# Altium PCB LG_TRACKER_PCB.PcbDoc (part 1 of 3) (continued)
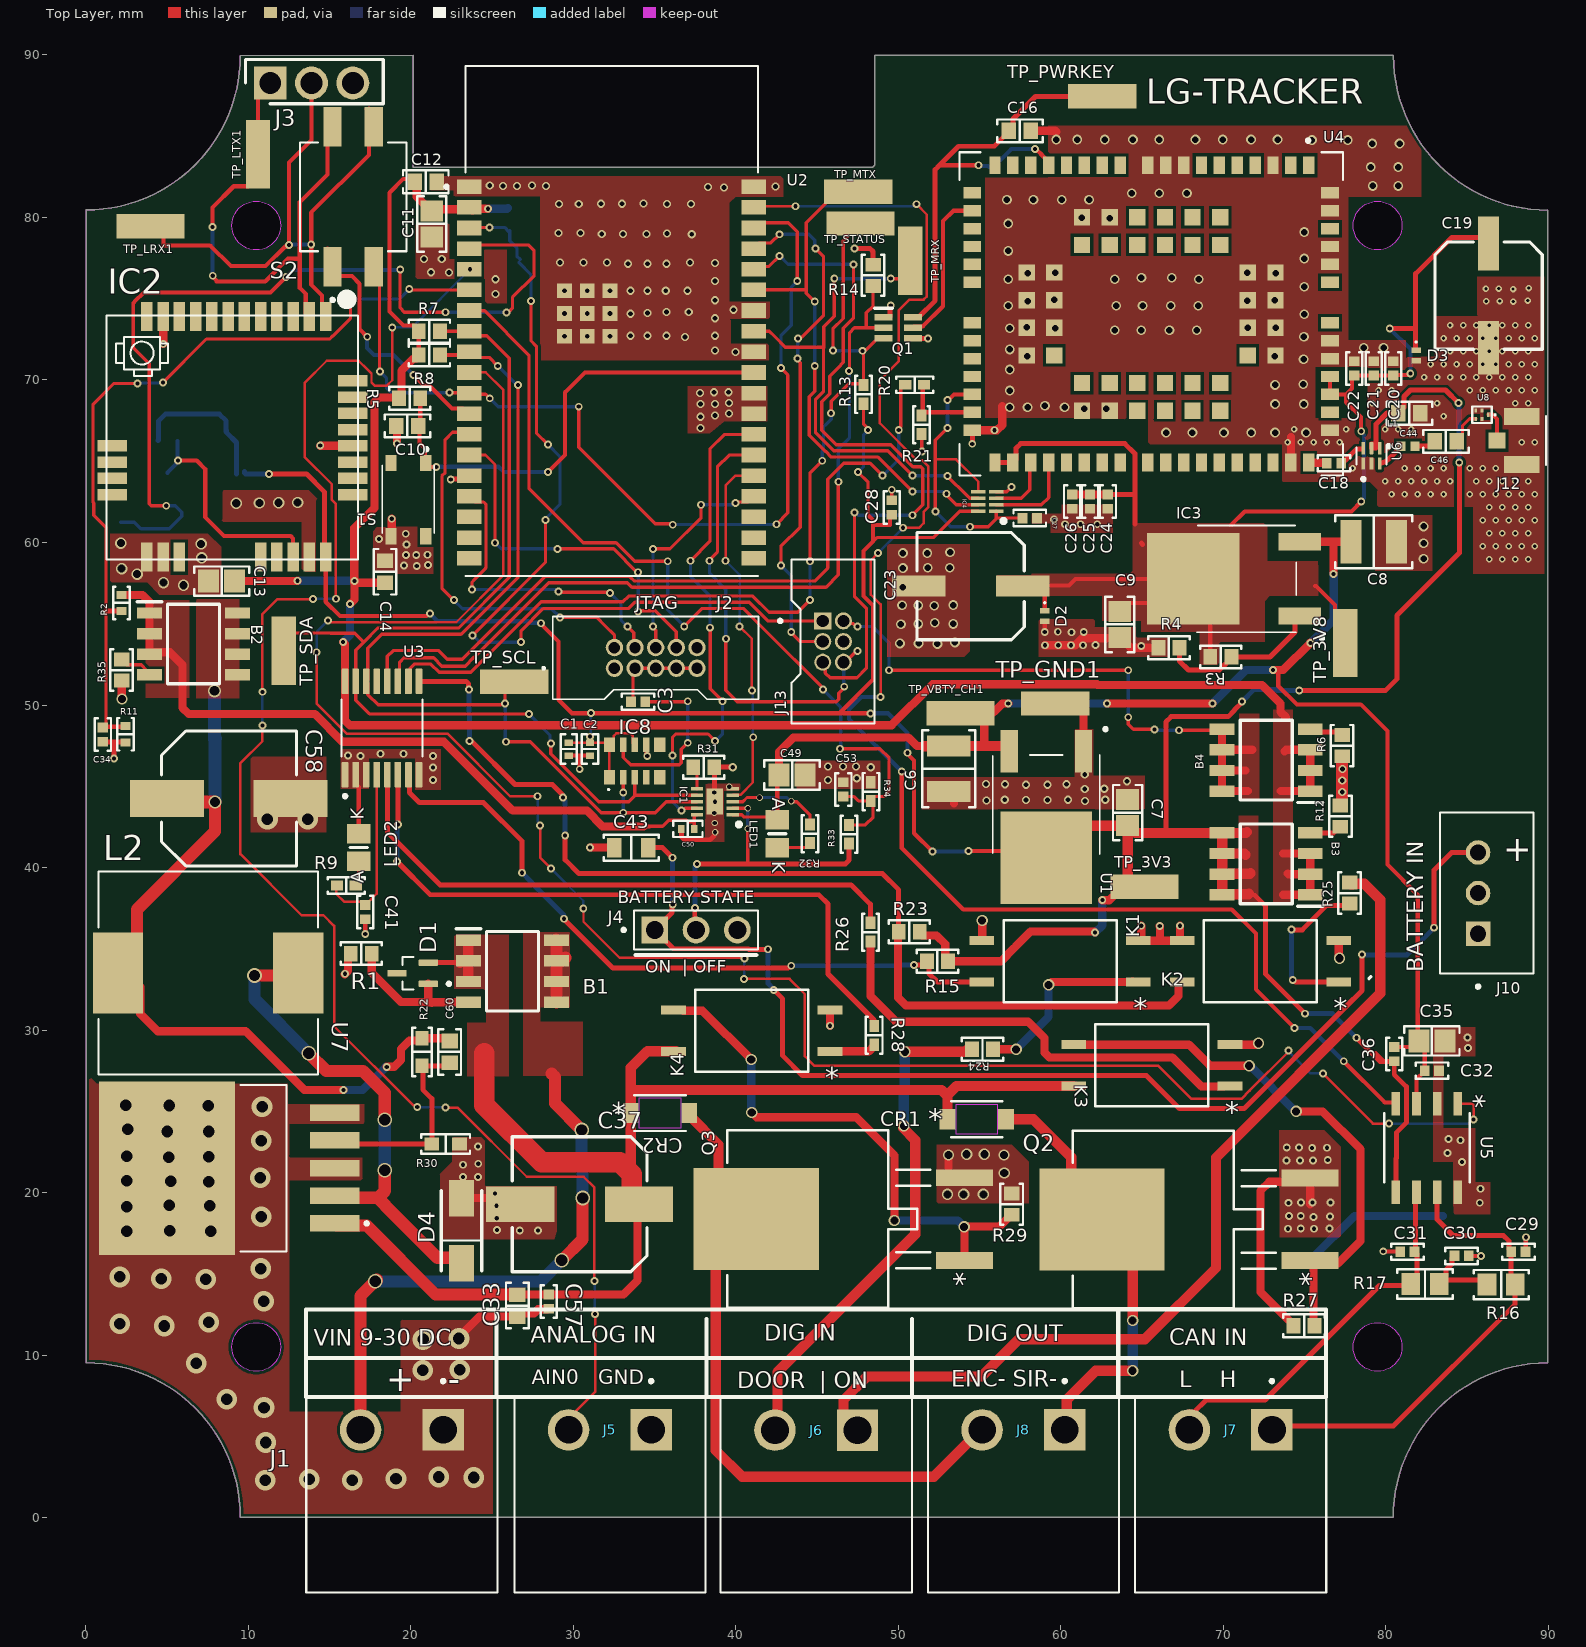
[diagram p0: Top Layer view]
## Part data (continued)
C29 C31: library part 500X07N101MV4T, "CAP CER 100PF 50V C0G/NP0 0402", Device Package="0402 (1005 Metric)", manufacturer="Johanson Dielectrics Inc.", Operating Temperature="-55°C ~ 125°C", Supplier Part Number 1=709-1214-1-ND, Temperature Coefficient="C0G, NP0", Tolerance=±20%, Voltage - Rated=50V, Applications="Bypass, Decoupling", Capacitance="100 pF", componentlink1description=Datasheet, componentlink1url=https://www.johansondielectrics.com/downloads/x2y-filter-and-decoupling-capacitors.pdf, componentlink2description="DigiKey Link", componentlink2url=https://www.digikey.com/en/products/detail/johanson-dielectrics-inc/500X07N101MV4T/2046917, Features="Low ESL (X2Y)", lastupdated="9/2/2024 20:04:38", Lifecycle Status=Active, Minimum Order=1, Mounting Type="Surface Mount, MLCC", Package / Case="0402 (1005 Metric)", packaging=TapeAndReel, Part Number=500X07N101MV4T, Part Status=Active, partid=1767, Price=0.08, series=X2Y®, Size / Dimension="0.045\" L x 0.025\" W (1.14mm x 0.64mm)", Supplier 1=DigiKey, Thickness (Max)="0.020\" (0.51mm)"
C30: library part 04025C472KAT2A, "CAP CER 4700PF 50V X7R 0402", Device Package="0402 (1005 Metric)", manufacturer="AVX Corporation", Operating Temperature="-55°C ~ 125°C", Supplier Part Number 1=478-1109-1-ND, Temperature Coefficient=X7R, Tolerance=±10%, Voltage - Rated=50V, Applications="General Purpose", Capacitance=4700pF, componentlink1description=Datasheet, componentlink1url=http://datasheets.avx.com/X7RDielectric.pdf, componentlink2description="DigiKey Link", componentlink2url=http://digikey.com/product-detail/en/avx-corporation/04025C472KAT2A/478-1109-1-ND/564141, lastupdated="8/2/2022 12:26:58", Lifecycle Status=Active, Minimum Order=1, Mounting Type="Surface Mount, MLCC", Package / Case="0402 (1005 Metric)", packaging=TapeAndReel, Part Number=04025C472KAT2A, Part Status=Active, partid=1774, Price=0.02, series=-, Size / Dimension="0.039\" L x 0.020\" W (1.00mm x 0.50mm)", Supplier 1=DigiKey, Thickness (Max)="0.022\" (0.56mm)"
C32 C34 C36 C41 C53 C57: library part CGA2B3X5R1H104M050BB, "CAP CER 0.1UF 50V X5R 0402", Device Package="0402 (1005 Metric)", manufacturer="TDK Corporation", Operating Temperature="-55°C ~ 85°C", Ratings=AEC-Q200, Supplier Part Number 1=445-12214-1-ND, Temperature Coefficient=X5R, Tolerance=±20%, Voltage - Rated=50V, Applications=Automotive, Capacitance="0.1 µF", componentlink1description=Datasheet, componentlink1url=https://product.tdk.com/info/en/catalog/datasheets/mlcc_automotive_general_en.pdf?ref_disty=digikey, componentlink2description="DigiKey Link", componentlink2url=https://www.digikey.com/en/products/detail/tdk-corporation/CGA2B3X5R1H104M050BB/3949450, lastupdated="9/2/2024 20:04:38", Lifecycle Status=Active, Minimum Order=1, Mounting Type="Surface Mount, MLCC", Package / Case="0402 (1005 Metric)", packaging=TapeAndReel, Part Number=CGA2B3X5R1H104M050BB, Part Status=Active, partid=1792, Price=0.01, series=CGA, Size / Dimension="0.039\" L x 0.020\" W (1.00mm x 0.50mm)", Supplier 1=DigiKey, Thickness (Max)="0.022\" (0.55mm)"
C33: library part 06035D105MAT2A, "CAP CER 1UF 50V X5R 0603", Device Package="0603 (1608 Metric)", manufacturer="AVX Corporation", Operating Temperature="-55°C ~ 85°C", Supplier Part Number 1=478-11443-1-ND, Temperature Coefficient=X5R, Tolerance=±20%, Voltage - Rated=50V, Applications="General Purpose", Capacitance=1µF, componentlink1description=Datasheet, componentlink1url=http://datasheets.avx.com/cx5r.pdf, componentlink2description="DigiKey Link", componentlink2url=http://digikey.com/product-detail/en/avx-corporation/06035D105MAT2A/478-11443-1-ND/8019298, lastupdated="2/9/2020 01:03:34", Lifecycle Status=Active, Minimum Order=1, Mounting Type="Surface Mount, MLCC", Package / Case="0603 (1608 Metric)", packaging=TapeAndReel, Part Number=06035D105MAT2A, Part Status=Active, partid=3200, Price=0.05, series=-, Size / Dimension="0.063\" L x 0.032\" W (1.60mm x 0.81mm)", Supplier 1=DigiKey, Thickness (Max)="0.035\" (0.90mm)"
C37: library part HHXD350ARA101MHA0G, "CAP ALUM HYBRD 100UF 20% 35V SMD", Device Package="Radial, Can - SMD", ESR (Equivalent Series Resistance)=27mOhm, Lifetime @ Temp.="5000 Hrs @ 105°C", manufacturer="United Chemi-Con", Operating Temperature="-55°C ~ 105°C", Ratings=AEC-Q200, Ripple Current @ High Frequency="2.3 A @ 100 kHz", Ripple Current @ Low Frequency="230 mA @ 120 Hz", Supplier Part Number 1=565-HHXD350ARA101MHA0GCT-ND, Tolerance=±20%, Voltage - Rated="35 V", Applications=Automotive, Capacitance="100 µF", componentlink1description=Datasheet, componentlink1url=http://www.chemi-con.co.jp/cgi-bin/CAT_DB/SEARCH/cat_db_al.cgi?e=e&j=p&pdfname=hxd, componentlink2description="DigiKey Link", componentlink2url=https://www.digikey.com/en/products/detail/united-chemi-con/HHXD350ARA101MHA0G/10486549, Height - Seated (Max)="0.413\" (10.50mm)", lastupdated="3/6/2024 20:17:04", Lifecycle Status=Active, Minimum Order=1, Mounting Type="Surface Mount", Package / Case="Radial, Can - SMD", packaging=TapeAndReel, Part Number=HHXD350ARA101MHA0G, Part Status=Active, partid=2061, Price=0.51, series=HXD, Size / Dimension="0.315\" Dia (8.00mm)", Supplier 1=DigiKey, Surface Mount Land Size="0.327\" L x 0.327\" W (8.30mm x 8.30mm)", Type=Hybrid
C42 C43 C49: library part CL21A106KOQNNNE, "CAP CER 10UF 16V X5R 0805", Device Package="0805 (2012 Metric)", manufacturer="Samsung Electro-Mechanics", Operating Temperature="-55°C ~ 85°C", Supplier Part Number 1=1276-1096-1-ND, Temperature Coefficient=X5R, Tolerance=±10%, Voltage - Rated=16V, Applications="General Purpose", Capacitance="10 µF", componentlink1description=Datasheet, componentlink1url=http://www.samsungsem.com/kr/support/product-search/mlcc/CL21A106KOQNNNE.jsp, componentlink2description="DigiKey Link", componentlink2url=https://www.digikey.com/en/products/detail/samsung-electro-mechanics/CL21A106KOQNNNE/3886754, lastupdated="10/30/2023 7:13:57 PM", Lifecycle Status=Active, Minimum Order=1, Mounting Type="Surface Mount, MLCC", Package / Case="0805 (2012 Metric)", packaging=TapeAndReel, Part Number=CL21A106KOQNNNE, Part Status=Active, partid=14297, Price=0.01, series=CL, Size / Dimension="0.079\" L x 0.049\" W (2.00mm x 1.25mm)", Supplier 1=DigiKey, Thickness (Max)="0.055\" (1.40mm)"
C44: library part C0603C333J4REC7411, "CAP CER 0603 33NF 16V X7R 5%", Device Package="0603 (1608 Metric)", manufacturer=KEMET, Operating Temperature="-55°C ~ 125°C", Supplier Part Number 1=399-C0603C333J4REC7411CT-ND, Temperature Coefficient=X7R, Tolerance=±5%, Voltage - Rated=16V, Applications="ESD Protection", Capacitance="0.033 µF", componentlink1description=Datasheet, componentlink1url=https://api.kemet.com/component-edge/download/datasheet/C0603C333J4REC7411.pdf, componentlink2description="DigiKey Link", componentlink2url=https://www.digikey.com/en/products/detail/kemet/C0603C333J4REC7411/8645086, lastupdated="9/2/2024 20:09:55", Lifecycle Status=Active, Minimum Order=1, Mounting Type="Surface Mount, MLCC", Package / Case="0603 (1608 Metric)", packaging=TapeAndReel, Part Number=C0603C333J4REC7411, Part Status=Active, partid=34885, Price=0.01, series="ESD SMD Comm X7R", Size / Dimension="0.063\" L x 0.031\" W (1.60mm x 0.80mm)", Supplier 1=DigiKey, Thickness (Max)="0.034\" (0.87mm)"
C46: library part 885012006021, "CAP CER 47PF 16V C0G/NP0 0603", Device Package="0603 (1608 Metric)", manufacturer="Würth Elektronik", Operating Temperature="-55°C ~ 125°C", Supplier Part Number 1=732-7764-1-ND, Temperature Coefficient="C0G, NP0", Tolerance=±5%, Voltage - Rated=16V, Applications="General Purpose", Capacitance="47 pF", componentlink1description=Datasheet, componentlink1url=https://katalog.we-online.de/pbs/datasheet/885012006021.pdf, componentlink2description="DigiKey Link", componentlink2url=https://www.digikey.com/en/products/detail/würth-elektronik/885012006021/5453619, lastupdated="9/2/2024 20:10:29", Lifecycle Status=Active, Minimum Order=1, Mounting Type="Surface Mount, MLCC", Package / Case="0603 (1608 Metric)", packaging=TapeAndReel, Part Number=885012006021, Part Status=Active, partid=2856, Price=0.02, series=WCAP-CSGP, Size / Dimension="0.063\" L x 0.031\" W (1.60mm x 0.80mm)", Supplier 1=DigiKey, Thickness (Max)="0.034\" (0.87mm)"
C50: library part GRM155R6YA105KE11D, "CAP CER 1UF 35V X5R 0402", Device Package="0402 (1005 Metric)", manufacturer="Murata Electronics", Operating Temperature="-55°C ~ 85°C", Supplier Part Number 1=490-10019-1-ND, Temperature Coefficient=X5R, Tolerance=±10%, Voltage - Rated=35V, Applications="General Purpose", Capacitance="1 µF", componentlink1description=Datasheet, componentlink1url=https://search.murata.co.jp/Ceramy/image/img/A01X/G101/ENG/GRM155R6YA105KE11-01.pdf, componentlink2description="DigiKey Link", componentlink2url=https://www.digikey.com/en/products/detail/murata-electronics/GRM155R6YA105KE11D/4905162, lastupdated="8/27/2024 12:42:54 PM", Lifecycle Status=Active, Minimum Order=1, Mounting Type="Surface Mount, MLCC", Package / Case="0402 (1005 Metric)", packaging=TapeAndReel, Part Number=GRM155R6YA105KE11D, Part Status=Active, partid=4167, Price=0.01, series=GRM, Size / Dimension="0.039\" L x 0.020\" W (1.00mm x 0.50mm)", Supplier 1=DigiKey, Thickness (Max)="0.024\" (0.60mm)"
C58: library part 865060353008, "CAP ALUM 330UF 20% 16V SMD", Device Package="Radial, Can - SMD", Lifetime @ Temp.="5000 Hrs @ 105°C", manufacturer="Würth Elektronik", Operating Temperature="-55°C ~ 105°C", Ripple Current @ High Frequency="550 mA @ 100 kHz", Ripple Current @ Low Frequency="357.5 mA @ 120 Hz", Supplier Part Number 1=732-8525-1-ND, Tolerance=±20%, Voltage - Rated="16 V", Applications="General Purpose", Capacitance="330 µF", componentlink1description=Datasheet, componentlink1url=https://katalog.we-online.de/pbs/datasheet/865060353008.pdf, componentlink2description="DigiKey Link", componentlink2url=https://www.digikey.com/en/products/detail/würth-elektronik/865060353008/5728120, Height - Seated (Max)="0.413\" (10.50mm)", Impedance="170 mOhms", lastupdated="3/6/2024 20:15:49", Lifecycle Status=Active, Minimum Order=1, Mounting Type="Surface Mount", Package / Case="Radial, Can - SMD", packaging=TapeAndReel, Part Number=865060353008, Part Status=Active, partid=7463, Polarization=Polar, Price=0.39, series=WCAP-ASLL, Size / Dimension="0.315\" Dia (8.00mm)", Supplier 1=DigiKey, Surface Mount Land Size="0.327\" L x 0.327\" W (8.30mm x 8.30mm)"
C59: library part C1608X5R1A226M080AC, "CAP CER 22UF 10V X5R 0603", Device Package="0603 (1608 Metric)", manufacturer="TDK Corporation", Operating Temperature="-55°C ~ 85°C", Supplier Part Number 1=445-9077-1-ND, Temperature Coefficient=X5R, Tolerance=±20%, Voltage - Rated=10V, Applications="General Purpose", Capacitance="22 µF", componentlink1description=Datasheet, componentlink1url=https://product.tdk.com/info/en/catalog/datasheets/mlcc_commercial_general_en.pdf?ref_disty=digikey, componentlink2description="DigiKey Link", componentlink2url=https://www.digikey.com/en/products/detail/tdk-corporation/C1608X5R1A226M080AC/3661560, Features="Low ESL", lastupdated="9/2/2024 20:10:30", Lifecycle Status=Active, Minimum Order=1, Mounting Type="Surface Mount, MLCC", Package / Case="0603 (1608 Metric)", packaging=TapeAndReel, Part Number=C1608X5R1A226M080AC, Part Status=Active, partid=2684, Price=0.08, series=C, Size / Dimension="0.063\" L x 0.031\" W (1.60mm x 0.80mm)", Supplier 1=DigiKey, Thickness (Max)="0.039\" (1.00mm)"
C60: library part 885012206028, "CAP CER 100PF 16V X7R 0603", Device Package="0603 (1608 Metric)", manufacturer="Würth Elektronik", Operating Temperature="-55°C ~ 125°C", Supplier Part Number 1=732-7947-1-ND, Temperature Coefficient=X7R, Tolerance=±10%, Voltage - Rated=16V, Applications="General Purpose", Capacitance="100 pF", componentlink1description=Datasheet, componentlink1url=https://katalog.we-online.de/pbs/datasheet/885012206028.pdf, componentlink2description="DigiKey Link", componentlink2url=https://www.digikey.com/en/products/detail/würth-elektronik/885012206028/5453802, lastupdated="9/2/2024 20:10:28", Lifecycle Status=Active, Minimum Order=1, Mounting Type="Surface Mount, MLCC", Package / Case="0603 (1608 Metric)", packaging=TapeAndReel, Part Number=885012206028, Part Status=Active, partid=3600, Price=0.02, series=WCAP-CSGP, Size / Dimension="0.063\" L x 0.031\" W (1.60mm x 0.80mm)", Supplier 1=DigiKey, Thickness (Max)="0.034\" (0.87mm)"
CR1 CR2: "Description", Manufacturer_Name="SMC Diode Solutions", Copyright="Copyright (C) 2025 Ultra Librarian. All rights reserved.", Manufacturer_Part_Number=1N4007FL
D1: "DIODE ZENER 12V 275MW SOT323", Current - Reverse Leakage @ Vr="100 nA @ 8 V", manufacturer="Nexperia USA Inc.", Operating Temperature="150°C (TJ)", Package / Case="SC-70, SOT-323", Power - Max="275 mW", Supplier Device Package=SOT-323, Supplier Part Number 1=1727-8288-1-ND, Tolerance=±5%, Voltage - Forward (Vf) (Max) @ If="900 mV @ 10 mA", Voltage - Zener (Nom) (Vz)="12 V", componentlink1description=Datasheet, componentlink1url=https://assets.nexperia.com/documents/data-sheet/BZX84W_SER.pdf, componentlink2description="DigiKey Link", componentlink2url=https://www.digikey.com/en/products/detail/nexperia-usa-inc/BZX84W-C12F/9380703, Impedance (Max) (Zzt)="25 Ohms", lastupdated="3/6/2024 20:01:46", Lifecycle Status=Active, Minimum Order=1, Mounting Type="Surface Mount", packaging=TapeAndReel, Part Number=BZX84W-C12F, Part Status=Active, partid=873, Price=0.01, series=BZX84W, Supplier 1=DigiKey
D2 D3: "TVS Diode (Uni-directional) - VRMW =5V - VBR = 5.5 V", Manufacturer_Name=LITTELFUSE, Mouser Part Number=576-AQ1250-01ETG, Datasheet Link=https://www.littelfuse.com/~/media/electronics/datasheets/tvs_diode_arrays/littelfuse_tvs_diode_array_aq1250-01etg_datasheet.pdf.pdf, Height=0.55mm, Manufacturer_Part_Number=AQ1250-01ETG, Mouser Price/Stock=https://www.mouser.co.uk/ProductDetail/Littelfuse/AQ1250-01ETG?qs=iLbezkQI%252BsgYBFHNQL11bg%3D%3D
D4: "Diode Schottky 40 V 5A Surface Mount DO-214AC (SMA)", Package="DO-214AC-214 Comchip Technology", Check_prices=https://www.snapeda.com/parts/SS54-HF/Comchip/view-part/?ref=eda, MF="Comchip Technology", MP=SS54-HF, SnapEDA_Link=https://www.snapeda.com/parts/SS54-HF/Comchip/view-part/?ref=snap
IC1: "BQ25186 1-Cell, 1A I2C Linear Battery Charger with Power Path, Ship Mode, Shutdown Mode, and Battery Tracking VINDPM", Manufacturer_Name="Texas Instruments", Mouser Part Number=595-BQ25186DLHR, Datasheet Link=https://www.ti.com/lit/ds/symlink/bq25186.pdf?ts=1740508135755&ref_url=https%253A%252F%252Fwww.ti.com%252Fproduct%252FBQ25186, Geometry.Height=0.8mm, Manufacturer_Part_Number=BQ25186DLHR, Mouser Price/Stock=https://www.mouser.co.uk/ProductDetail/Texas-Instruments/BQ25186DLHR?qs=efUn273yAheZpfz2mNbAWQ%3D%3D
IC2: "LoRaWAN module from RAK", Package=Package, Availability="Not in stock", Check_prices=https://www.snapeda.com/parts/RAK3172/Shenzhen+RAKwireless+Technology+Co.%252CLtd./view-part/?ref=eda, MF="Shenzhen RAKwireless Technology Co.,Ltd.", MP=RAK3172-9-SM-I, Price=None, SnapEDA_Link=https://www.snapeda.com/parts/RAK3172/Shenzhen+RAKwireless+Technology+Co.%252CLtd./view-part/?ref=snap
IC3: "Fuente regulada LDO - 3V8 - 3A", Manufacturer_Name="Diodes Inc.", Mouser Part Number=621-AZ2185D-ADJTRG1, Arrow Part Number=AZ2185D-ADJTRG1, Arrow Price/Stock=https://www.arrow.com/en/products/az2185d-adjtrg1/diodes-incorporated, Datasheet Link=https://www.diodes.com/assets/Datasheets/AZ2185.pdf, Height=2.39mm, Manufacturer_Part_Number=AZ2185D-ADJTRG1, Mouser Price/Stock=https://www.mouser.co.uk/ProductDetail/Diodes-Incorporated/AZ2185D-ADJTRG1?qs=YCa%2FAAYMW022EhXzrDAtDg%3D%3D
IC4: "Conversor de nivel lógico bidireccional 1.8-3.3 V", Manufacturer_Name="Texas Instruments", Mouser Part Number=595-TXS0102DQMR, Arrow Part Number=TXS0102DQMR, Arrow Price/Stock=https://www.arrow.com/en/products/txs0102dqmr/texas-instruments?region=nac, Datasheet Link=http://www.ti.com/lit/gpn/txs0102, Height=0.4mm, Manufacturer_Part_Number=TXS0102DQMR, Mouser Price/Stock=https://www.mouser.co.uk/ProductDetail/Texas-Instruments/TXS0102DQMR?qs=l3GMcByk76LwJNFmr1RbWA%3D%3D
IC5: "MOSFET N-CH 60V 300MA SOT23", Current - Continuous Drain (Id) @ 25°C="300mA (Ta)", Drain to Source Voltage (Vdss)=60V, Drive Voltage (Max Rds On,  Min Rds On)="5V, 10V", Input Capacitance (Ciss) (Max) @ Vds="50pF @ 25V", manufacturer="ON Semiconductor", Operating Temperature="-55°C ~ 150°C (TJ)", Package / Case="TO-236-3, SC-59, SOT-23-3", Power Dissipation (Max)="350mW (Ta)", Supplier Device Package="SOT-23 (TO-236AB)", Supplier Part Number 1=2N7002KCT-ND, componentlink1description=Datasheet, componentlink1url=https://www.onsemi.com/pub/Collateral/2N7002K-D.pdf, componentlink2description="DigiKey Link", componentlink2url=http://digikey.com/product-detail/en/on-semiconductor/2N7002K/2N7002KCT-ND/2060375, FET Type=N-Channel, lastupdated="3/11/2024 8:04:14 AM", Lifecycle Status=Active, Minimum Order=1, Mounting Type="Surface Mount", packaging=TapeAndReel, Part Number=2N7002K, Part Status=Active, Price=0.07, Rds On (Max) @ Id, Vgs="2Ohm @ 500mA, 10V", series=-, Supplier 1=DigiKey, Technology="MOSFET (Metal Oxide)", Vgs (Max)=±20V, Vgs(th) (Max) @ Id="2.5V @ 250µA"
IC8: "IC RTC CLK/CALENDAR I2C 10SMD", Manufacturer_Name="Epson Timing", Arrow Part Number=RX8130CE, Arrow Price/Stock=https://www.arrow.com/en/products/rx8130ce/epson-electronics-america, Datasheet Link=https://www.mouser.in/Search/DownloadDatasheet?url=https%3A%2F%2Fwww.mouser.in%2Fdatasheet%2F2%2F137%2FRX8130CE_en-1825324.pdf, Height=1mm, Manufacturer_Part_Number=RX8130CE
J1 J5 J6 J7 J8: "2~24 Poles, Pluggable, Receptacle, Horizontal, 5.08 Pitch, Terminal Block Connector", Package=None, Check_prices=https://www.snapeda.com/parts/TBP01R1-508-02BE/Same+Sky/view-part/?ref=eda, MF="Same Sky", MP=TBP01R1-508-02BE, SnapEDA_Link=https://www.snapeda.com/parts/TBP01R1-508-02BE/Same+Sky/view-part/?ref=snap
J2: "Connector Header Through Hole 10 position Shrouded 4 wall 0.050\" (1.27mm)", Manufacturer_Name="CNC Tech", Arrow Part Number=3220-10-0100-00, Arrow Price/Stock=https://www.arrow.com/en/products/3220-10-0100-00/cnc-tech-llc?region=nac, Datasheet Link=https://datasheet.datasheetarchive.com/originals/dk/DKDS-7/133059.pdf, Height=5.6mm, Manufacturer_Part_Number=3220-10-0100-00
J3: "Connector", Manufacturer_Name=Sullins, Datasheet Link=http://www.sullinscorp.com/drawings/78_P(N)PxCxxxLFBN-RC,_10492-H.pdf, Height=8.5mm, Manufacturer_Part_Number=PPPC031LFBN-RC
J4: library part 68001-203HLF, "Board to Board connector, Unshrouded vertical header, Through Hole, Single Row, , 3 Positions, 2.54 mm (0.100in) Pitch.", Package=None, Availability="In Stock", Check_prices=https://www.snapeda.com/parts/68001-203HLF/Amphenol+FCI/view-part/?ref=eda, componentlink1description="New link", componentlink1url=https://www.digikey.com/es/products/detail/amphenol-cs-fci/68001-203HLF/2023312, MF="Amphenol ICC", MP=68001-203HLF, Price=None, Purchase-URL=https://pricing.snapeda.com/search?q=68001-203HLF&ref=eda, SnapEDA_Link=https://www.snapeda.com/parts/68001-203HLF/Amphenol+FCI/view-part/?ref=snap
J10: "Connector Header Through Hole 3 position 0.098 (2.50mm)", Package=None, Check_prices=https://www.snapeda.com/parts/B3B-XH-A/JST+Sales+America+Inc./view-part/?ref=eda, MF="JST Sales", MP=B3B-XH-A, SnapEDA_Link=https://www.snapeda.com/parts/B3B-XH-A/JST+Sales+America+Inc./view-part/?ref=snap
J12: "Conector antena Coaxial PL 50Ohm Solder ST SMD Gold Over Nickel T/R", Package=None, Check_prices=https://www.snapeda.com/parts/1909763-1/TE+Connectivity+AMP+Connectors/view-part/?ref=eda, Digi-Key_Part_Number=A118077TR-ND, MF="TE Connectivity", MP=1909763-1, Purchase-URL=https://pricing.snapeda.com/search/part/1909763-1/?ref=eda, SnapEDA_Link=https://www.snapeda.com/parts/1909763-1/TE+Connectivity+AMP+Connectors/view-part/?ref=snap
J13: "1.27mm (0.05in.) pitch, Shrouded header, 6 contacts", Package=None, Check_prices=https://www.snapeda.com/parts/20021511-00006T4LF/Amphenol+FCI/view-part/?ref=eda, MF="Amphenol ICC (FCI)", MP=20021511-00006T4LF, SnapEDA_Link=https://www.snapeda.com/parts/20021511-00006T4LF/Amphenol+FCI/view-part/?ref=snap
K1 K2 K3 K4: "Description", Manufacturer_Name="American Bright", Copyright="Copyright (C) 2025 Ultra Librarian. All rights reserved.", Manufacturer_Part_Number=APC-817B1-SL, RefDes=RefDes, Type=Optoisolators
L1: library part LQG15HH6N8J02D, "FIXED IND 6.8NH 600MA 0.24OHM SM", Current Rating (Amps)="600 mA", DC Resistance (DCR)="240mOhm Max", Device Package="0402 (1005 Metric)", Frequency - Self Resonant=4.5GHz, Inductance Frequency - Test="100 MHz", manufacturer="Murata Electronics", Operating Temperature="-55°C ~ 125°C", Q @ Freq="8 @ 100MHz", Ratings=AEC-Q200, Supplier Part Number 1=490-11669-1-ND, Tolerance=±5%, componentlink1description=Datasheet, componentlink1url=https://search.murata.co.jp/Ceramy/image/img/P02/JELF243B-9101.pdf, componentlink2description="DigiKey Link", componentlink2url=https://www.digikey.com/en/products/detail/murata-electronics/LQG15HH6N8J02D/2594193, Height - Seated (Max)="0.022\" (0.55mm)", Inductance="6.8 nH", lastupdated="3/6/2024 20:13:14", Lifecycle Status=Active, Material - Core=Air, Minimum Order=1, Mounting Type="Surface Mount", Package / Case="0402 (1005 Metric)", packaging=TapeAndReel, Part Number=LQG15HH6N8J02D, Part Status=Active, partid=1331, Price=0.05, series=LQG15, Shielding=Unshielded, Size / Dimension="0.039\" L x 0.020\" W (1.00mm x 0.50mm)", Supplier 1=DigiKey, Supplier Device Package="0402 (1005 Metric)", Type=Multilayer
L2: "Inductor,Shielded Power,AEC-Q200,47uH 20% SMT 1265", Package="Nonstandard Bourns", Check_prices=https://www.snapeda.com/parts/SRP1265A-470M/Bourns/view-part/?ref=eda, MF=Bourns, MP=SRP1265A-470M, SnapEDA_Link=https://www.snapeda.com/parts/SRP1265A-470M/Bourns/view-part/?ref=snap
LED1 LED2: "LED verde SMD (0805)", Mfr_Name=Wolfspeed, Copyright="Copyright (C) 2023 Ultra Librarian. All rights reserved.", Manufacturer_Part_Number=LTST-C170GKT, RefDes=RefDes, Type=DEV
Q1: "Array 2 MOSFET (N-Channel)", Manufacturer_Name="ROHM Semiconductor", Mouser Part Number=755-UM6K34NTCN, Datasheet Link=https://datasheet.datasheetarchive.com/originals/distributors/DKDS-18/357292.pdf, Height=1mm, Manufacturer_Part_Number=UM6K34NTCN, Mouser Price/Stock=https://www.mouser.co.uk/ProductDetail/ROHM-Semiconductor/UM6K34NTCN?qs=npTsUczJOtMIn9jsho046Q%3D%3D
Q2 Q3: "Description", Manufacturer_Name=Infineon, Copyright="Copyright (C) 2025 Ultra Librarian. All rights reserved.", Manufacturer_Part_Number=IRL540NSTRLPBF
R1 R6 R12 R35: library part RNCS0603BKE100K, "RES 100K OHM 0.1% 1/16W 0603", Device Package="0603 (1608 Metric)", manufacturer="Stackpole Electronics Inc", Operating Temperature="-55°C ~ 155°C", Power (Watts)="0.063W, 1/16W", Ratings=AEC-Q200, Supplier Device Package=0603, Supplier Part Number 1=RNCS0603BKE100KCT-ND, Temperature Coefficient=±25ppm/°C, Tolerance=±0.1%, componentlink1description=Datasheet, componentlink1url=https://www.seielect.com/catalog/sei-rncs_rnch.pdf, componentlink2description="DigiKey Link", componentlink2url=https://www.digikey.com/en/products/detail/stackpole-electronics-inc/RNCS0603BKE100K/1708835, Composition="Thin Film", Features="Anti-Corrosive, Automotive AEC-Q200, Moisture Resistant", Height - Seated (Max)="0.022\" (0.55mm)", lastupdated="9/2/2024 20:43:37", Lifecycle Status=Active, Minimum Order=1, Number of Terminations=2, Package / Case="0603 (1608 Metric)", packaging=TapeAndReel, Part Number=RNCS0603BKE100K, Part Status=Active, partid=4849, Price=0.06, Resistance="100 kOhms", series=RNCS, Size / Dimension="0.061\" L x 0.031\" W (1.55mm x 0.80mm)", Supplier 1=DigiKey
R2: library part RC0402FR-0756KL, "RES 56K OHM 1% 1/16W 0402", Device Package="0402 (1005 Metric)", manufacturer=Yageo, Operating Temperature="-55°C ~ 155°C", Power (Watts)="0.063W, 1/16W", Supplier Device Package=0402, Supplier Part Number 1=311-56.0KLRCT-ND, Temperature Coefficient=±100ppm/°C, Tolerance=±1%, componentlink1description=Datasheet, componentlink1url=https://www.yageo.com/upload/media/product/productsearch/datasheet/rchip/PYu-RC_Group_51_RoHS_L_10.pdf, componentlink2description="DigiKey Link", componentlink2url=https://www.digikey.com/en/products/detail/yageo/RC0402FR-0756KL/726635, Composition="Thick Film", Features="Moisture Resistant", Height - Seated (Max)="0.016\" (0.40mm)", lastupdated="31/8/2025 15:04:18", Lifecycle Status=Active, Minimum Order=1, Number of Terminations=2, Package / Case="0402 (1005 Metric)", packaging=CutTape, Part Number=RC0402FR-0756KL, Part Status=Active, partid=2502, Price=0.01, Resistance="56 kOhms", series=RC_L, Size / Dimension="0.039\" L x 0.020\" W (1.00mm x 0.50mm)", Supplier 1=DigiKey
R3: library part CRGH0603F3K3, "CRGH0603 1% 3K3 0.2W", Device Package="0603 (1608 Metric)", manufacturer="TE Connectivity Passive Product", Operating Temperature="-55°C ~ 155°C", Power (Watts)="0.2W, 1/5W", Supplier Device Package=0603, Supplier Part Number 1=A129543CT-ND, Temperature Coefficient=±100ppm/°C, Tolerance=±1%, componentlink1description=Datasheet, componentlink1url=https://www.te.com/commerce/DocumentDelivery/DDEController?Action=srchrtrv&DocNm=1773204-1&DocType=DS&DocLang=English, componentlink2description="DigiKey Link", componentlink2url=https://www.digikey.com/en/products/detail/te-connectivity-passive-product/CRGH0603F3K3/7495057, Composition="Thick Film", Height - Seated (Max)="0.022\" (0.55mm)", lastupdated="10/31/2023 7:35:24 PM", Lifecycle Status=Active, Minimum Order=1, Number of Terminations=2, Package / Case="0603 (1608 Metric)", packaging=TapeAndReel, partid=5686, Part Number=CRGH0603F3K3, Part Status=Active, Price=0.01, Resistance="3.3 kOhms", series="CRGH, Neohm", Size / Dimension="0.063\" L x 0.031\" W (1.60mm x 0.80mm)", Supplier 1=DigiKey
R4: library part CRGP0603F6K8, "RES 6.8K OHM 1% 1/4W 0603", Device Package="0603 (1608 Metric)", manufacturer="TE Connectivity Passive Product", Operating Temperature="-55°C ~ 155°C", Power (Watts)="0.25W, 1/4W", Supplier Device Package=0603, Supplier Part Number 1=A130426CT-ND, Temperature Coefficient=±100ppm/°C, Tolerance=±1%, componentlink1description=Datasheet, componentlink1url=https://www.te.com/commerce/DocumentDelivery/DDEController?Action=srchrtrv&DocNm=9-1773463-9&DocType=DS&DocLang=English, componentlink2description="DigiKey Link", componentlink2url=https://www.digikey.com/en/products/detail/te-connectivity-passive-product/CRGP0603F6K8/8577028, Composition="Thick Film", Features="Pulse Withstanding", Height - Seated (Max)="0.022\" (0.55mm)", lastupdated="10/31/2023 7:34:31 PM", Lifecycle Status=Active, Minimum Order=1, Number of Terminations=2, Package / Case="0603 (1608 Metric)", packaging=TapeAndReel, partid=20908, Part Number=CRGP0603F6K8, Part Status=Active, Price=0.01, Resistance="6.8 kOhms", series=CRGP, Size / Dimension="0.063\" L x 0.031\" W (1.60mm x 0.80mm)", Supplier 1=DigiKey
R5 R7 R8 R10 R14 R15 R18 R19 R23 R27 R29 R31: library part RC0603FR-0710KL, "RES 10K OHM 1% 1/10W 0603", Device Package="0603 (1608 Metric)", manufacturer=Yageo, Operating Temperature="-55°C ~ 155°C", Power (Watts)="0.1W, 1/10W", Supplier Device Package=0603, Supplier Part Number 1=311-10.0KHRCT-ND, Temperature Coefficient=±100ppm/°C, Tolerance=±1%, componentlink1description=Datasheet, componentlink1url=https://www.yageo.com/upload/media/product/productsearch/datasheet/rchip/PYu-RC_Group_51_RoHS_L_10.pdf, componentlink2description="DigiKey Link", componentlink2url=https://www.digikey.com/en/products/detail/yageo/RC0603FR-0710KL/726880, Composition="Thick Film", Features="Moisture Resistant", Height - Seated (Max)="0.022\" (0.55mm)", Lifecycle Status=Active, Minimum Order=1, Number of Terminations=2, Package / Case="0603 (1608 Metric)", packaging=CutTape, partid=22599, Part Number=RC0603FR-0710KL, Part Status=Active, Price=0.01, Resistance="10 kOhms", series=RC_L, Size / Dimension="0.063\" L x 0.031\" W (1.60mm x 0.80mm)", Supplier 1=DigiKey
  R5 R7 R8 R10 R14 R15 R23 R27 R29 R31: lastupdated="10/30/2023 7:36:43 PM"
  R18 R19: lastupdated="7/25/2024 9:19:19 AM"
R9: library part CRCW040275R0FKEDC, "RES 75 OHM 1% 1/16W 0402", Device Package="0402 (1005 Metric)", manufacturer="Vishay Dale", Operating Temperature="-55°C ~ 155°C", Power (Watts)="0.063W, 1/16W", Supplier Device Package=0402, Supplier Part Number 1=541-3999-1-ND, Temperature Coefficient=±100ppm/°C, Tolerance=±1%, componentlink1description=Datasheet, componentlink1url=http://www.vishay.com/docs/28773/crcwce3.pdf, componentlink2description="DigiKey Link", componentlink2url=https://www.digikey.com/en/products/detail/vishay-dale/CRCW040275R0FKEDC/7928421, Composition="Thick Film", Height - Seated (Max)="0.014\" (0.35mm)", lastupdated="11/3/2023 7:28:02 PM", Lifecycle Status=Active, Minimum Order=1, Number of Terminations=2, Package / Case="0402 (1005 Metric)", packaging=CutTape, Part Number=CRCW040275R0FKEDC, Part Status=Active, partid=16117, Price=0.01, Resistance="75 Ohms", series=CRCW-C, Size / Dimension="0.039\" L x 0.020\" W (1.00mm x 0.50mm)", Supplier 1=DigiKey
R11: library part RC0402FR-0782KL, "RES 82K OHM 1% 1/16W 0402", Device Package="0402 (1005 Metric)", manufacturer=Yageo, Operating Temperature="-55°C ~ 155°C", Power (Watts)="0.063W, 1/16W", Supplier Device Package=0402, Supplier Part Number 1=311-82.0KLRCT-ND, Temperature Coefficient=±100ppm/°C, Tolerance=±1%, componentlink1description=Datasheet, componentlink1url=https://www.yageo.com/upload/media/product/productsearch/datasheet/rchip/PYu-RC_Group_51_RoHS_L_10.pdf, componentlink2description="DigiKey Link", componentlink2url=https://www.digikey.com/en/products/detail/yageo/RC0402FR-0782KL/726665, Composition="Thick Film", Features="Moisture Resistant", Height - Seated (Max)="0.016\" (0.40mm)", lastupdated="31/8/2025 15:04:18", Lifecycle Status=Active, Minimum Order=1, Number of Terminations=2, Package / Case="0402 (1005 Metric)", packaging=CutTape, Part Number=RC0402FR-0782KL, Part Status=Active, partid=2509, Price=0.01, Resistance="82 kOhms", series=RC_L, Size / Dimension="0.039\" L x 0.020\" W (1.00mm x 0.50mm)", Supplier 1=DigiKey
R13 R20 R33 R34: library part CRCW0402100KFKED, "RES SMD 100K OHM 1% 1/16W 0402", Device Package="0402 (1005 Metric)", manufacturer="Vishay Dale", Operating Temperature="-55°C ~ 155°C", Power (Watts)="0.063W, 1/16W", Ratings=AEC-Q200, Supplier Device Package=0402, Supplier Part Number 1=541-100KLCT-ND, Temperature Coefficient=±100ppm/°C, Tolerance=±1%, componentlink1description=Datasheet, componentlink1url=http://www.vishay.com/docs/20035/dcrcwe3.pdf, componentlink2description="DigiKey Link", componentlink2url=https://www.digikey.com/en/products/detail/vishay-dale/CRCW0402100KFKED/1178235, Composition="Thick Film", Features="Automotive AEC-Q200", Height - Seated (Max)="0.016\" (0.40mm)", Lifecycle Status=Active, Minimum Order=1, Number of Terminations=2, Package / Case="0402 (1005 Metric)", packaging=CutTape, partid=11959, Part Number=CRCW0402100KFKED, Part Status=Active, Price=0.01, Resistance="100 kOhms", series=CRCW, Size / Dimension="0.039\" L x 0.020\" W (1.00mm x 0.50mm)", Supplier 1=DigiKey
  R13 R20: lastupdated="11/1/2023 7:27:47 PM"
  R33 R34: lastupdated="11/2/2023 7:33:14 PM"